# KiCad board motor power breakout.kicad_pcb
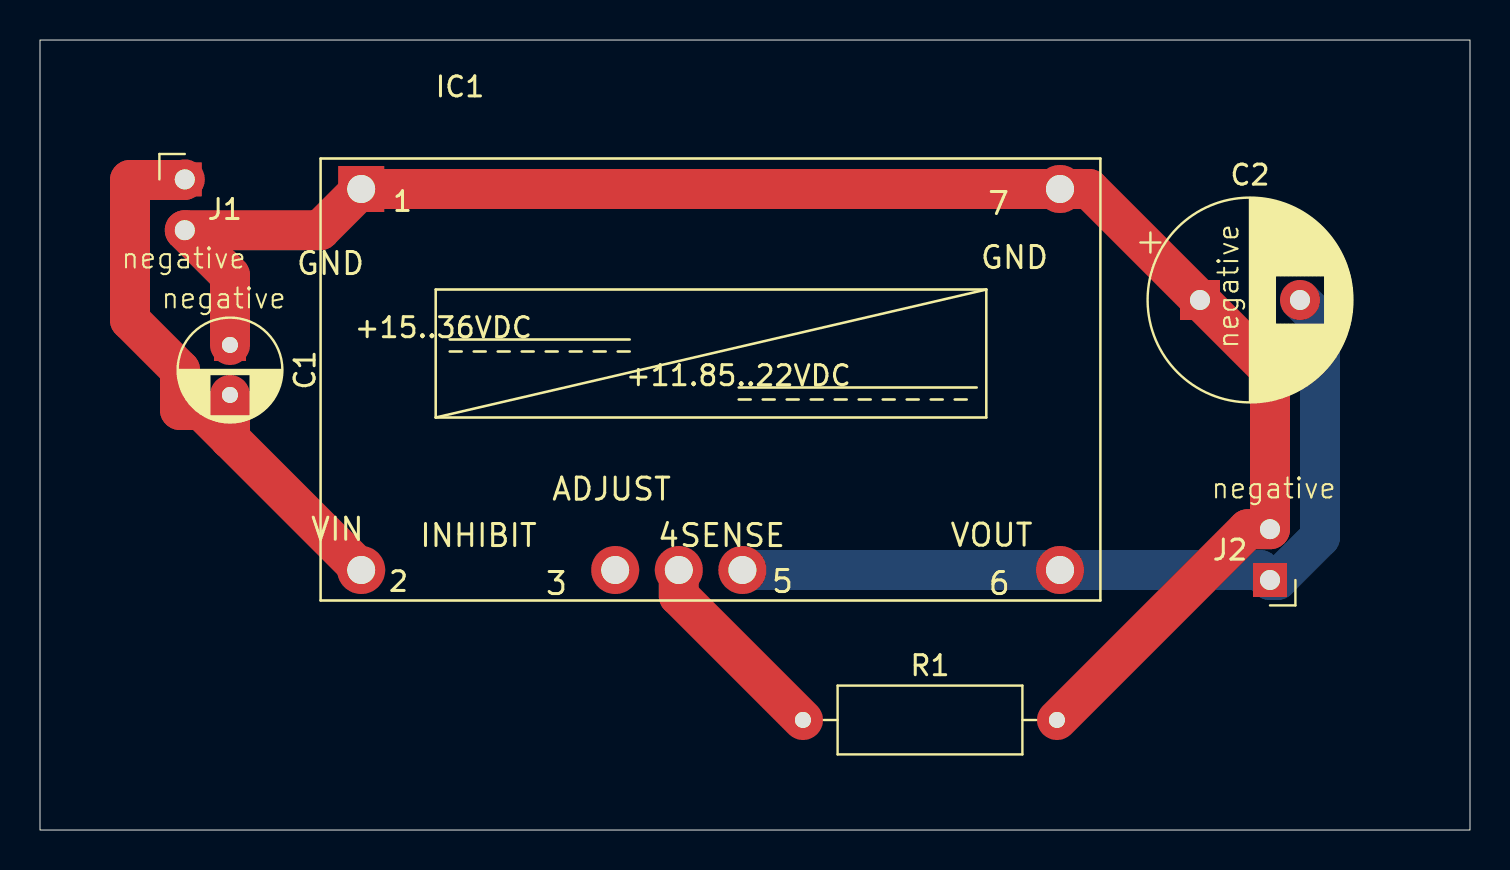
[diagram p0: board, top side]
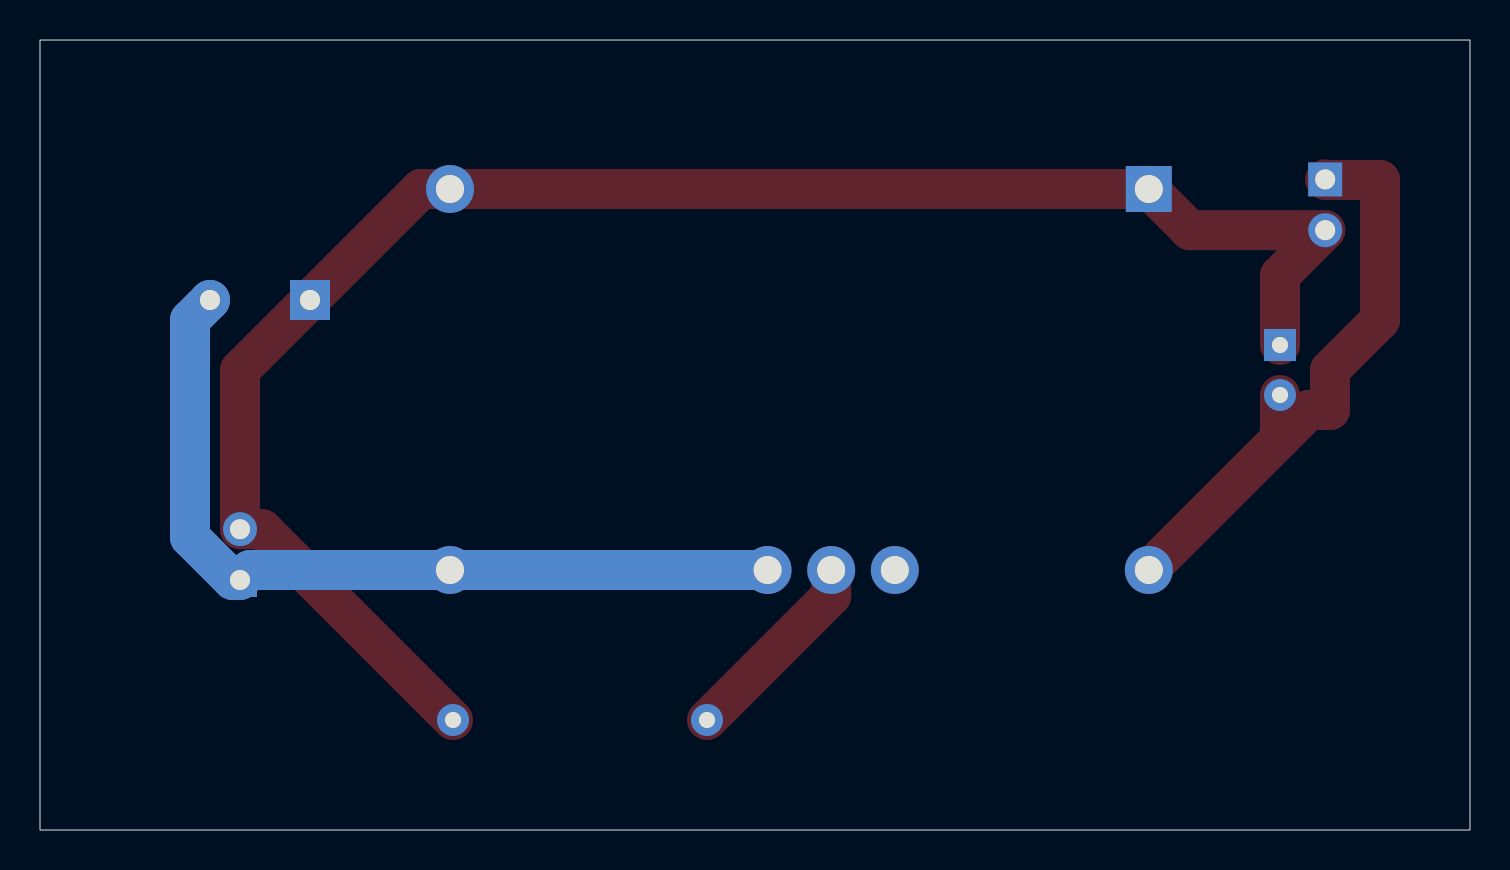
[diagram p1: board, bottom side, seen from below]

Outline 71.5 x 39.5 mm; copper layers: Top, Bottom. Coordinates in mm from the lower left corner of the outline.
Outline path: rectangle 0,39.5 71.5,0

## Placement (name value [footprint] x y rotation side)
C1  ceramic  [CP_Radial_D5.0mm_P2.50mm]  9.5 24.25 270 top
C2  electrolytic  [CP_Radial_D10.0mm_P5.00mm]  58 26.5 0 top
IC1  -  [PTN78020HAH]  33.53 22.53 0 top
J1  Screw_Terminal_01x02  [PinHeader_1x02_P2.54mm_Horizontal]  7.24 32.53 0 top
J2  Screw_Terminal_01x02  [PinHeader_1x02_P2.54mm_Horizontal]  61.5 12.5 180 top
R1  R  [R_Axial_DIN0309_L9.0mm_D3.2mm_P12.70mm_Horizontal]  38.15 5.5 0 top

## Library data of the parts
C1 C2 = -: Description: Unpolarized capacitor; ki_fp_filters: C_*
IC1 = -: PRODUCT: Non-Isolated / POL; MF: Texas Instruments; Description_1: 6 A, Wide Input Non-Isolated, Wide Output Adjust Module; OUT-CURRENT: 6A; Check_prices: https://www.snapeda.com/parts/PTN78020HAH/Texas+Instruments/view-part/?ref=eda; OPERATING-TEMPERATURE: - 40 C to + 85 C; BRAND: Texas Instruments; MOUNTING-STYLE: Through Hole; OUTPUT-VOLTAGE: 11.85 V to 22 V; Availability: In Stock; Price: None; SnapEDA_Link: https://www.snapeda.com/parts/PTN78020HAH/Texas+Instruments/view-part/?ref=snap; Package: THROUGH-HOLE MODULE-7 Texas Instruments; FARNELL: 2323483; PRODUCT-CATEGORY: Non-Isolated DC/DC Converters; NUMBER-OF-OUTPUTS: 1; INPUT-VOLTAGE: 15 V to 36 V; OUT-POWER: 90W; MOUSER: 595-PTN78020HAH
J1 J2 = -: Description: Generic screw terminal, single row, 01x02, script generated (kicad-library-utils/schlib/autogen/connector/); ki_fp_filters: TerminalBlock*:*
R1 = -: Description: Resistor; ki_fp_filters: R_*

## Footprints (pads in the part's own frame, mm; a bottom-side part is the same pattern mirrored in y, then rotated)
CP_Radial_D5.0mm_P2.50mm
  rect 1.6x1.6 hole 0.8: 1(0,0)
  round 1.6 hole 0.8: 2(2.5,0)
CP_Radial_D10.0mm_P5.00mm
  rect 2x2 hole 1: 1(0,0)
  round 2 hole 1: 2(5,0)
PinHeader_1x02_P2.54mm_Horizontal
  rect 1.7x1.7 hole 1: 1(0,0)
  oval 1.7x1.7 hole 1: 2(0,-2.54)
PTN78020HAH
  rect 2.3x2.3 hole 1.4: 1(-17.465,9.525)
  round 2.4 hole 1.4: 2(-17.465,-9.525) 3(-4.765,-9.525) 4(-1.585,-9.525) 5(1.595,-9.525) 6(17.475,-9.525) 7(17.475,9.525)
R_Axial_DIN0309_L9.0mm_D3.2mm_P12.70mm_Horizontal
  round 1.6 hole 0.8: 1(0,0)
  oval 1.6x1.6 hole 0.8: 2(12.7,0)

## Nets
Net-(IC1-+VIN): C1.2 IC1.2 J1.1
Net-(IC1-+VOUT): C2.2 IC1.5 IC1.6 J2.1
Net-(IC1-ADJUST): IC1.4 R1.1
Net-(IC1-GND): C1.1 C2.1 IC1.1 IC1.7 J1.2 J2.2 R1.2

Pads without a net: IC1 3

## Routing (per net, layer and track width the routed paths; a pad name or vN(x,y) marks a point on that pad's centre or on a via; arc(x,y) is an arc through that point)
Net-(IC1-+VIN): length 29.9
  Top w2: 9.5,19.56 IC1.2 ; 9.5,19.56 C1.2 ; 9.5,19.56 8.06,21 7,21 7,23 4.5,25.5 4.5,32.5 7.21,32.5 J1.1
Net-(IC1-+VOUT): length 42.2
  Bottom w2: IC1.5 IC1.6 61,13 J2.1 61.86,12.5 64,14.64 64,25.5 C2.2
Net-(IC1-ADJUST): length 10.1
  Top w2: IC1.4 31.94,11.71 R1.1
Net-(IC1-GND): length 88.1
  Top w2: C1.1 9.5,27.73 J1.2 14,29.99 IC1.1 IC1.7 52.45,32.05 C2.1 61.5,23 J2.2 60.39,15.04 R1.2

## Text on the board
F.Silkscreen: negative
